# Altium PCB Freezer_Controller.PcbDoc (part 3 of 3) (continued)
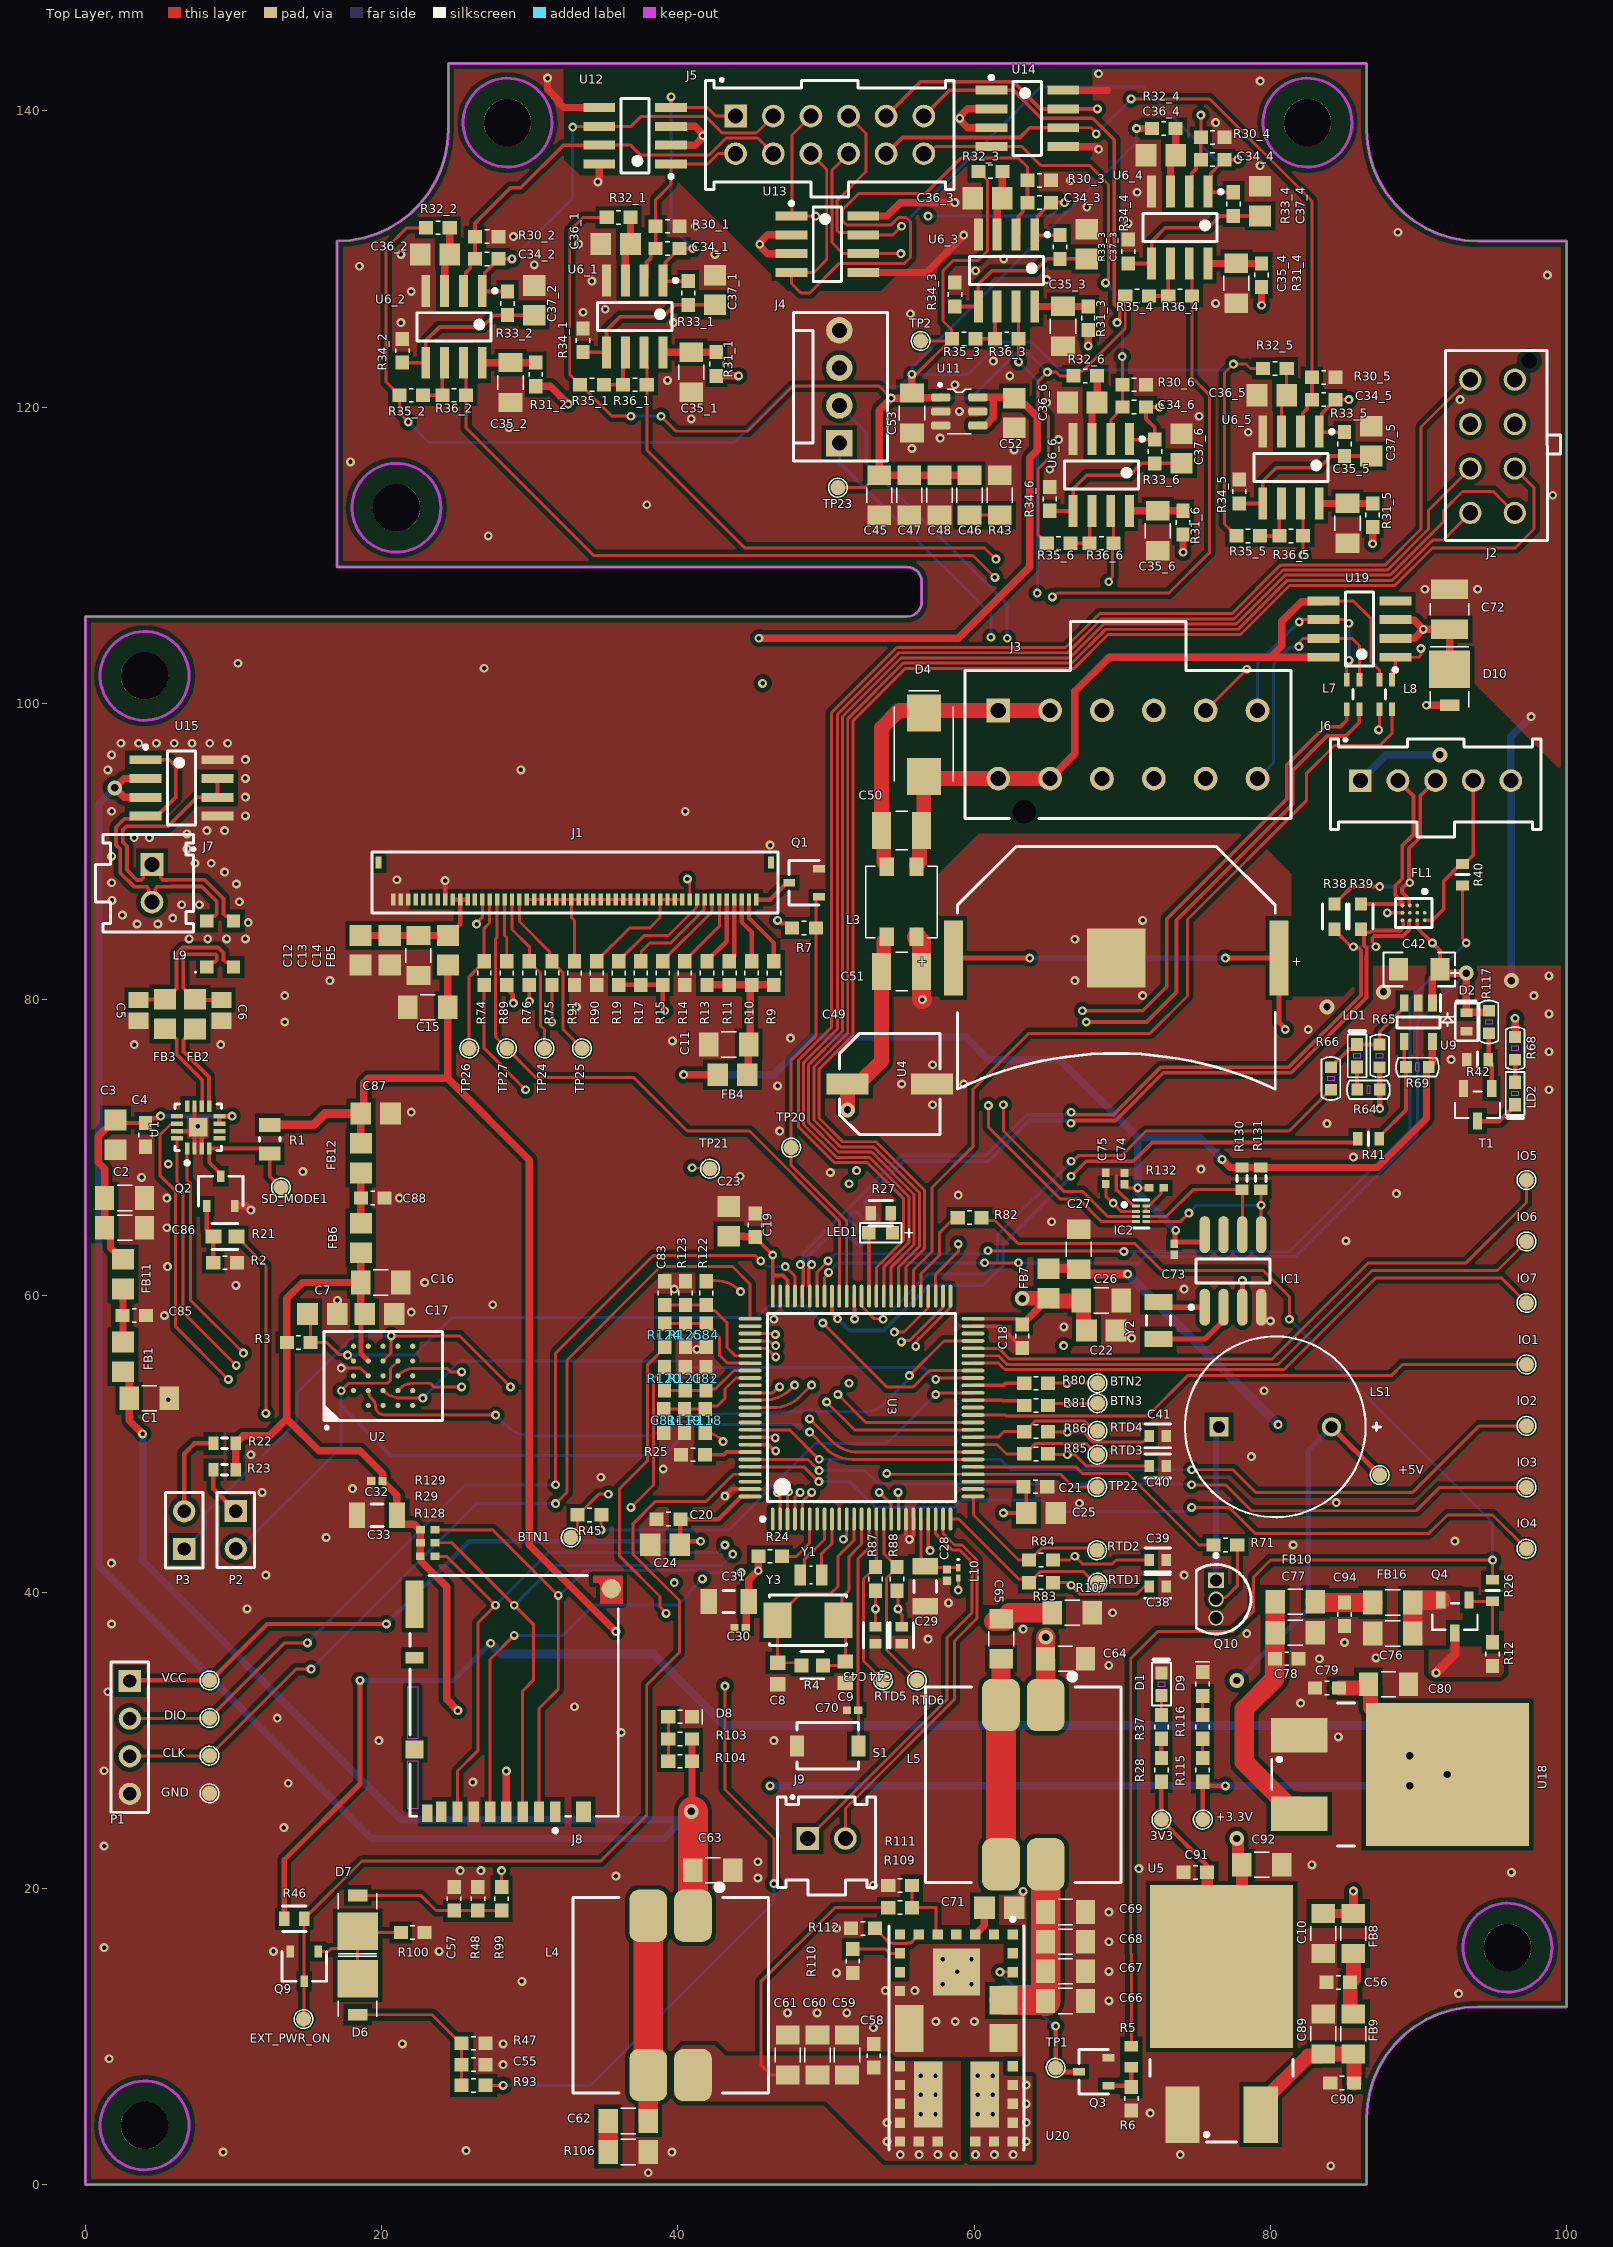
[diagram p0: Top Layer view]
## Nets (pads, with @x,y where several pads share a name; then routed paths per layer and width w, separated by ;. In a path a pad name is that pad's centre, name@x,y a point inside that pad or via, vN(x,y) a via of type N, cw(c..) or ccw(c..) an arc to the next point about the centre after c; other vN are vias at no path point) (continued)
  Bottom Layer w0.2: v1(55.1,132.2) 64.5,141.6 71.4,141.6 76.3,136.7 v1(77.8,136.7)
RTD_P5: C34_5.1 J5.5 R33_5.1 U6_5.1 U14.7 | length 47.9
  Top Layer w0.25: J5.5@54.06,139.64 56.387,141.967 62.633,141.967 64.478,140.122 U14.7@66.012,140.122 v1(68.322,140.122) ; R33_5.1@85,118.3 83.33,118.3 U6_5.1@83.292,118.338 83.467,118.513 83.467,119.567 84.05,120.15 84.05,120.175 84.375,120.5 C34_5.1@84.4,120.5 v1(85.3,120.5)
  Layer 1 w0.25: v1(68.322,140.122) 85.3,123.145 v1(85.3,120.5)
RTD_P6: C34_6.1 J5.6 R33_6.1 U6_6.1 U14.1 | length 39.7
  Top Layer w0.25: J5.6@56.6,139.64 58.352,141.392 U14.1@61.162,141.392 62.642,141.392 64.534,139.5 68,139.5 69.45,138.05 69.45,126.936 69.825,126.561 69.825,125.97 69.65,125.795 v1(69.65,125.7) ; U6_6.1@70.667,118.013 U6_6.1@70.492,117.838 70.53,117.8 R33_6.1@72.2,117.8 72.2,118.6 71.6,119.2 C34_6.1@71.6,120 v1(72.5,120)
  Layer 2 w0.25: v1(69.65,125.7) 72.5,122.85 v1(72.5,120)
RTD_SIG1: C38.1 R36_1.2 R83.1 U6_1.7 | length 129
  Top Layer w0.2: U6_1.7@37.722,123.688 37.722,122.913 37.9,122.735 R36_1.2@37.9,121.5 37.9,117.1 44.51,110.49 60.706,110.49 v1(61.468,109.728) ; R83.1@65.316,40.64 66.26,40.64 66.44,40.46 v1(66.548,40.46) 67.126,39.882 70.998,39.882 71.502,40.386 C38.1@71.815,40.386
  Layer 2 w0.2: v1(61.468,109.728) 60.706,108.966 60.706,107.416 57.097,103.807 53.615,103.807 43.016,93.208 43.016,70.51 63.805,49.721 63.805,43.203 v1(66.548,40.46)
RTD_SIG2: C39.1 R36_2.2 R84.1 U6_2.7 | length 136.5
  Top Layer w0.2: U6_2.7@25.522,122.988 25.522,122.213 25.7,122.035 R36_2.2@25.7,120.8 25.7,118.6 34.318,109.982 59.918,109.982 v1(61.4,108.5) ; R84.1@65.316,42.164 66.44,42.164 66.694,42.418 v1(66.802,42.418) 67.31,41.91 69.342,41.91 69.596,42.164 C39.1@71.815,42.164
  Layer 2 w0.2: v1(61.4,108.5) 61.4,107.615 57.242,103.457 53.76,103.457 43.434,93.131 43.434,70.587 64.237,49.784 64.237,44.983 v1(66.802,42.418)
RTD_SIG3: C40.1 R36_3.2 R85.1 U6_3.7 | length 105.5
  Top Layer w0.2: U6_3.7@62.822,126.788 62.822,126.013 63,125.835 R36_3.2@63,124.6 v1(63,123.05) ; R85.1@64.983,49.329 65.036,49.276 66.802,49.276 67.564,48.514 C40.1@71.815,48.514
  Layer 2 w0.2: v1(64.262,107.442) 63.465,107.442 61.383,105.36 60.63,105.36 57.677,102.407 54.195,102.407 44.484,92.696 44.484,71.035 66.243,49.276 v1(66.294,49.276)
  Bottom Layer w0.2: v1(63,123.05) 64.262,121.788 v1(64.262,107.442)
RTD_SIG4: C41.1 R36_4.2 R86.1 U6_4.7 | length 117.1
  Top Layer w0.2: R86.1@64.983,50.836 65.018,50.8 v1(66.294,50.8) 67.339,50.8 68.012,50.127 71.396,50.127 71.502,50.233 71.602,50.233 71.815,50.446 C41.1@71.815,50.546 ; v1(65.278,107.188) 65.341,107.188 65.595,107.442 73.152,107.442 75.9,110.19 75.9,120.8 74.7,122 74.7,128.735 74.522,128.913 U6_4.7@74.522,129.688
  Layer 2 w0.2: v1(65.278,107.188) 64.77,106.68 63.198,106.68 61.528,105.01 60.902,105.01 57.949,102.057 54.34,102.057 44.834,92.551 44.834,71.18 65.214,50.8 v1(66.294,50.8)
RTD_SIG5: C43.1 R36_5.2 R87.1 U6_5.7 | length 131
  Top Layer w0.2: C43.1@53.34,37.659 v1(53.34,38.862) R87.1@53.34,40.094 ; U6_5.7@82.022,113.488 82.022,112.713 82.2,112.535 R36_5.2@82.2,111.3 v1(82.2,110)
  Layer 2 w0.2: v1(53.34,38.862) 54.127,39.649 55.245,39.649 56.176,38.718 66.773,38.718 68.713,40.658 68.713,42.26 64.719,46.253 64.719,49.809 43.784,70.745 43.784,92.986 53.905,103.107 57.387,103.107 60.706,106.426 61.214,106.426 63.754,108.966 81.166,108.966 v1(82.2,110)
RTD_SIG6: C44.1 R36_6.2 R88.1 U6_6.7 | length 116.9
  Top Layer w0.2: R88.1@54.79,40.094 54.864,40.02 v1(54.864,38.862) 54.864,38.754 55.118,38.5 C44.1@55.118,37.659 ; v1(69.088,108.204) 69.088,108.312 69.342,108.566 69.342,110.742 R36_6.2@69.4,110.8 69.4,112.035 69.222,112.213 U6_6.7@69.222,112.988
  Layer 2 w0.2: v1(54.864,38.862) 55.423,38.303 66.853,38.303 69.063,40.513 69.063,42.494 65.202,46.355 65.202,49.822 44.134,70.89 44.134,92.841 54.05,102.757 57.532,102.757 60.75,105.975 61.271,105.975 63.5,108.204 v1(69.088,108.204)
SCL1: IC1.6 IC2.6 R130.2 | length 10.3
  Top Layer w0.2: IC2.6@71.601,65.353 72.973,65.353 74.783,67.163 R130.2@78.08,67.163 78.105,67.138 IC1.6@78.105,64.131
SCL_EXT: J3.12 L7.1 U19.7 | length 17.4
  Top Layer w0.2: v1(81.922,103.821) 81.999,103.898 81.999,104.164 82.213,104.378 85.522,104.378 86,103.9 L7.1@86,101.6
  Bottom Layer w0.2: J3.12@79.127,94.915 80.2,95.988 80.2,102.655 81.322,103.778 81.879,103.778 v1(81.922,103.821)
SD_MISO: J8.7 R128.2 U3.17 | length 51.7
  Top Layer w0.2: R128.2@23.606,42.418 24.384,42.418 v2(27.686,39.116) 26.491,37.921 26.491,29.285 25.123,27.917 J8.7@25.123,25.17 ; v1(53.594,46.736) 54.4,45.93 U3.17@54.4,44.931
  Layer 2 w0.2: v2(43.18,43.18) 45.678,45.678 52.536,45.678 v1(53.594,46.736)
  Bottom Layer w0.2: v2(27.686,39.116) 31.242,42.672 42.672,42.672 v2(43.18,43.18)
SD_MOSI: J8.3 R29.2 U3.18 U3.54 | length 68.4
  Top Layer w0.2: R29.2@23.614,43.332 24.74,43.332 30.268,37.804 30.268,34.078 29.523,33.333 J8.3@29.523,25.17 ; v1(54.61,57.556) 55.27,57.556 56.89,59.176 56.89,59.971 U3.54@56.9,59.981 ; v1(54.864,46.736) 54.89,46.71 54.89,44.941 U3.18@54.9,44.931
  Layer 2 w0.2: v1(43.705,42.562) 46.38,45.237 53.365,45.237 v1(54.864,46.736) 54.889,46.761 54.889,49.606 53.467,51.029 53.467,56.413 v1(54.61,57.556)
  Bottom Layer w0.2: v1(28.956,39.116) 31.634,41.794 42.937,41.794 v1(43.705,42.562)
SD_SCK: J8.5 U3.52 | length 59.2
  Top Layer w0.2: J8.5@27.323,25.17 27.323,35.451 v1(28.956,37.084) ; v1(55.093,56.896) 55.169,56.973 55.626,56.973 57.89,59.237 57.89,59.971 U3.52@57.9,59.981
  Layer 2 w0.2: v1(41.656,40.894) 43.078,40.894 46.965,44.78 53.848,44.78 55.474,46.406 55.474,49.86 53.95,51.384 53.95,55.753 v1(55.093,56.896)
  Bottom Layer w0.2: v1(28.956,37.084) 32.258,37.084 34.29,39.116 40.014,39.116 40.797,39.899 40.797,40.035 v1(41.656,40.894)
SD_SS: J8.2 R129.2 U3.51 | length 68.3
  Top Layer w0.2: R129.2@23.614,44.196 27.502,44.196 v1(31.923,39.775) 31.923,33.447 30.623,32.147 J8.2@30.623,25.17 ; v1(56.058,56.591) 56.058,56.883 58.39,59.215 58.39,59.971 U3.51@58.4,59.981
  Layer 2 w0.2: v1(44.28,41.318) 47.209,44.247 54.178,44.247 55.956,46.025 55.956,50.241 54.407,51.791 54.407,54.94 v1(56.058,56.591)
  Bottom Layer w0.2: v1(31.923,39.775) 32.014,39.775 33.683,41.444 41.884,41.444 42.01,41.318 v1(44.28,41.318)
SDA1: IC1.5 IC2.5 R131.1 | length 11.3
  Top Layer w0.2: IC2.5@71.601,65.003 73.918,65.003 v1(74.498,65.583) ; R131.1@79.35,67.163 79.375,67.138 v1(79.375,66.116) IC1.5@79.375,64.131
  Bottom Layer w0.2: v1(74.498,65.583) 75.032,66.116 v1(79.375,66.116)
SDA_EXT: J3.6 L7.4 U19.6 | length 14.6
  Top Layer w0.2: v1(81.948,105.5) 82.056,105.5 82.204,105.648 U19.6@83.588,105.648 85.052,105.648 v1(85.3,105.4) ; L7.4@85.15,101.6 85.15,102.642 85.3,102.792 v1(85.3,102.9)
  Layer 1 w0.2: v1(81.948,105.5) v1@81.948,105.552
  Bottom Layer w0.2: J3.6@79.127,99.515 79.115,99.515 79.115,102.667 v1(81.948,105.5) ; v1(85.3,102.9) v1(85.3,105.4)
SDI: J1.34 R76.2 TP24.1 | length 10.9
  Top Layer w0.2: J1.34@28.8,86.75 28.8,84.738 29.973,83.565 R76.2@29.973,82.588 29.973,82.563 30.734,81.802 30.734,78.232 30.988,77.978 TP24.1@30.988,76.708
SDO: J1.33 R75.2 TP25.1 | length 11.8
  Top Layer w0.2: J1.33@29.3,86.75 29.3,85.267 31.321,83.246 31.321,82.764 R75.2@31.497,82.588 31.497,82.563 32.258,81.802 32.258,77.978 TP25.1@33.528,76.708
SWCLK: CLK.1 P1.3 U3.76 | length 63.6
  Top Layer w0.2: P1.3@3,28.92 3.018,28.938 8.364,28.938 14.224,34.798 v1(15.24,34.798) ; v1(31.75,45.974) 32.512,46.736 32.512,55.658 38.83,61.976 43.688,61.976 44.875,60.789 U3.76@44.875,58.456
  Bottom Layer w0.2: v1(15.24,34.798) 26.416,45.974 v1(31.75,45.974)
SWDIO: DIO.1 P1.2 U3.72 | length 65
  Top Layer w0.2: P1.2@3,31.46 3.018,31.478 8.364,31.478 13.462,36.576 v1(14.986,36.576) ; v1(31.75,47.244) 31.75,56.134 38.354,62.738 45.212,62.738 v1(45.593,62.357) ; v1(47.244,61.976) 47.9,61.32 U3.72@47.9,59.981
  Bottom Layer w0.2: v1(14.986,36.576) 25.654,47.244 v1(31.75,47.244) ; v1(45.593,62.357) 45.974,61.976 v1(47.244,61.976)
TE: J1.39
TFT_CLK: R74.1 U3.78 | length 33.6
  Top Layer w0.2: R74.1@26.924,80.988 26.924,76.708 v1(29.718,73.914) ; U3.78@44.875,57.456 44.885,57.446 46.523,57.446 v1(46.578,57.391)
  Layer 1 w0.2: v1@29.718,73.787 30.261,73.244 45.785,57.72 ccw(c46.578,58.512) v1(46.578,57.391)
TFT_MISO: R75.1 U3.79 | length 35.1
  Top Layer w0.2: v1(31.488,78.478) 31.488,80.979 R75.1@31.497,80.988 ; U3.79@44.875,56.956 46.187,56.956 46.501,56.642 v1(46.609,56.642)
  Layer 1 w0.2: v1(31.488,78.478) 31.488,78.387 28.938,75.837 28.938,73.297 44.875,57.36 ccw(c46.609,59.095) v1(46.609,56.642)
TFT_MOSI: R76.1 U3.80 | length 36.3
  Top Layer w0.2: U3.80@44.875,56.456 44.885,56.446 46.027,56.446 46.593,55.88 v1(46.609,55.88)
  Top Layer w0.25: v1(29.972,79.886) R76.1@29.973,80.988
  Layer 1 w0.2: v1(29.972,79.886) 29.972,78.74 27.905,76.673 27.905,73.39 44.775,56.521 ccw(c46.313,58.059) v1@46.606,55.903
TFT_WRX: J1.36 TP27.1 U3.66 | length 42.8
  Top Layer w0.2: J1.36@27.8,86.75 27.8,84.188 27.686,84.074 27.686,77.47 TP27.1@28.448,76.708 30.429,74.727 37.033,74.727 40.64,71.12 44.831,71.12 50.9,65.051 U3.66@50.9,59.981
UART_RX: J9.2 U3.24 | length 26.5
  Top Layer w0.2: J9.2@51.308,23.368 51.308,25.4 58.667,32.759 58.667,36.703 60.198,38.234 60.198,42.164 59.182,43.18 58.674,43.18 57.91,43.944 57.91,44.921 U3.24@57.9,44.931
UART_TX: J9.1 U3.23 | length 27.5
  Top Layer w0.2: J9.1@48.768,23.368 58.166,32.766 58.166,36.926 59.848,38.608 59.848,42.019 59.037,42.83 58.529,42.83 58.433,42.926 58.42,42.926 57.4,43.946 U3.23@57.4,44.931
USB_D_N: FL1.D3 R39.1 U3.70 | length 61.2
  Top Layer w0.255: 48.841,61.826 48.841,60.685 48.9,60.626 U3.70@48.9,59.981 ; 66.814,71.841 69.555,71.841 72.77,75.056 81.406,75.056 86.488,80.138 86.488,82.951 86.496,82.959 86.496,83.486 86.321,83.661 86.321,84.533 86.315,84.539 86.739,84.539 86.869,84.669 88.795,84.669 88.971,84.845 88.971,85.293 FL1.D3@88.912,85.352
  Bottom Layer w0.255: v1(49.025,62.103) 49.025,62.196 48.841,62.38 48.841,62.715 49.959,63.833 50.589,64.463 cw(c50.859,64.193) 51.128,64.463 52.026,63.565 ccw(c52.295,63.835) 52.565,63.565 ccw(c52.295,63.835) 52.565,64.105 51.668,65.002 cw(c51.938,65.272) 51.668,65.542 cw(c51.938,65.272) 52.207,65.542 52.894,64.855 ccw(c53.164,65.125) 53.434,64.855 ccw(c53.164,65.125) 53.434,65.394 52.747,66.081 cw(c53.017,66.351) 52.747,66.621 54.658,68.532 55.214,69.088 60.96,69.088 63.713,71.841 66.253,71.841 66.441,71.654 v1(66.534,71.654)
USB_D_P: FL1.C3 R38.1 U3.71 | length 58.2
  Top Layer w0.255: U3.71@48.4,59.981 48.4,60.626 48.459,60.685 48.459,61.826 ; 66.808,72.223 69.397,72.223 72.612,75.438 81.248,75.438 86.106,80.296 86.106,83.109 86.114,83.117 86.114,83.328 85.942,83.5 85.664,83.5 v1(85.598,83.566) ; R38.1@84.328,84.748 84.328,84.698 v1@85.394,83.632 ; v1(87.122,83.566) 87.122,83.659 86.878,83.903 86.878,84.137 87.027,84.287 88.953,84.287 89.353,84.686 89.353,85.293 FL1.C3@89.412,85.352
  Bottom Layer w0.255: v1(48.275,62.103) 48.275,62.196 48.459,62.38 48.459,62.873 55.056,69.47 60.802,69.47 63.555,72.223 66.138,72.223 66.239,72.324 66.482,72.324 v1(66.548,72.39) ; v1(85.598,83.566) v1(87.122,83.566)
USB_ID: R40.1 U3.69 | length 63.9
  Top Layer w0.2: U3.69@49.4,59.981 49.4,61.617 v1(50.14,62.357) ; v1(60.935,63.043) 60.96,63.018 70.078,63.018 v1(70.104,62.992) ; R40.1@92.964,87.704 92.964,84.137 93.218,83.883 v1(93.218,83.82)
  Bottom Layer w0.2: v1(50.14,62.357) 50.624,62.841 60.624,62.841 60.827,63.043 v1(60.935,63.043) ; v1(70.104,62.992) 81.28,62.992 89.408,71.12 89.408,80.01 v1(93.218,83.82)
USB_VBUS: C42.1 D2.1 FL1.B3 J6.1 R117.1 U3.68 U9.1 | length 91.7
  Top Layer w0.2: U3.68@49.9,59.981 49.9,61.222 50.173,61.495 v1(50.173,61.587) ; v1(60.706,62.23) v1(62.992,62.23)
  Top Layer w0.25: FL1.B3@89.912,85.352 89.912,84.84 v1(90.932,83.82) 91.44,83.312 C42.1@91.44,82.042
  Top Layer w0.5: U9.1@90.932,79.756 90.932,81.407 91.44,81.915 C42.1@91.44,82.042 91.694,81.788 v3(93.218,81.788) 93.224,81.782 93.224,79.117 D2.1@93.231,79.111 93.26,79.14 94.634,79.14 R117.1@94.742,79.248
  Layer 1 w0.5: v3(91.44,96.52) 91.44,96.385 92.415,95.409 92.415,82.591 v3(93.218,81.788)
  Bottom Layer w0.2: v1(50.173,61.587) 50.816,62.23 v1(60.706,62.23) ; v1(62.992,62.23) 71.12,62.23 71.532,62.642 81.692,62.642 89.916,70.866 89.916,78.486 v3(93.218,81.788)
  Bottom Layer w0.5: J6.1@86.07,94.775 87.815,96.52 v3(91.44,96.52)
VBATT_VS: J3.10 R124.1 | length 111.2
  Top Layer w0.2: R124.1@39.116,56.533 39.116,56.508 37.96,55.352 37.96,48.882 36.068,46.99 36.068,42.418 38.791,39.695 38.791,39.004 39.201,38.594 v1(39.201,38.566)
  Layer 2 w0.2: v1(39.201,38.566) 42.217,35.55 67.173,35.55 72.022,40.399 72.022,77.367 72.127,77.473 J3.10@72.127,94.915
VBATT_VS_3.3: C84.2 R124.2 R125.2 U3.82 | length 7.6
  Top Layer w0.2: R124.2@39.116,58.133 R125.2@40.516,58.133 C84.2@41.916,58.133 41.916,58.108 42.799,57.225 42.799,56.007 43.35,55.456 U3.82@44.875,55.456
VCC: C18.2 C19.2 C20.2 C21.2 C22.2 C23.2 C24.2 C25.2 C26.2 C30.2 C31.2 FB7.1 L10.2 P1.1 R24.2 U3.11 U3.22 U3.28 U3.50 U3.73 U3.75 U3.100 VCC.1 | length 88.2
  Top Layer w0.2: v1(51.173,43.569) 51.173,43.644 51.4,43.871 U3.11@51.4,44.931 ; v1(58.928,40.132) L10.2@58.928,40.952
  Top Layer w0.25: C19.2@45.393,63.989 45.393,63.764 v1(46.4,62.757) 46.4,61.369 ; U3.75@46.4,59.981 46.4,61.369 ; U3.73@47.4,59.981 47.4,61.058 47.089,61.369 46.4,61.369 ; U3.22@56.9,44.931 56.9,42.922 v1(57.023,42.799) ; U3.28@59.925,47.456 62.971,47.456 63.31,47.117 C21.2@63.335,47.117 63.516,46.936 C25.2@63.516,45.339 v1(61.976,45.339) ; U3.50@59.925,58.456 62.892,58.456 63.246,58.102 C18.2@63.246,58.077
  Top Layer w0.3: P1.1@3,34 3.036,34.036 VCC.1@8.382,34.036 8.469,34.036 12.279,37.846 v2(20.32,37.846) ; C24.2@40.132,43.2 C24.2@40.17,43.238 ; v1(41.529,43.434) 40.366,43.434 C24.2@40.17,43.238 ; U3.100@44.875,46.456 44.275,46.456 42.744,44.925 C20.2@40.17,44.925 C24.2@40.17,43.238
  Top Layer w0.5: C23.2@43.434,64.024 43.442,64.016 44.442,64.016 44.469,63.989 C19.2@45.393,63.989 ; C30.2@44.576,37.592 44.596,37.592 44.606,37.602 44.606,39.192 C31.2@44.784,39.37 44.784,40.832 v1@45.428,41.476 ; v1(45.428,41.44) v1@45.428,41.476 ; R24.2@45.428,42.418 v1@45.428,41.476 ; C18.2@63.246,58.102 63.446,58.302 63.471,58.302 64.524,59.355 64.524,59.383 64.876,59.735 FB7.1@64.904,59.735
  Top Layer w1: v3(63.246,59.817) 63.262,59.833 65,59.833 65.183,59.65 66.906,59.65 C26.2@67.056,59.5 ; C26.2@67.23,59.69 67.38,59.54 67.38,57.858 C22.2@67.58,57.658
  Bottom Layer w0.3: v2(20.32,37.846) 25.908,43.434 v1(41.529,43.434)
  other v1: 66.04,56.642
VCI: C12.2 C13.2 C14.2 FB5.2 J1.40 J1.41 J1.42 | length 9.7
  Top Layer w0.3: FB5.2@24.483,84.327 24.533,84.327 25.3,85.094 J1.41@25.3,86.75 ; J1.42@24.8,86.75 J1.41@25.3,86.75 ; J1.40@25.8,86.75 J1.41@25.3,86.75
  Top Layer w0.5: C12.2@18.583,84.327 C13.2@20.556,84.327 C14.2@22.483,84.327 FB5.2@24.483,84.327
VMAIN_VS: J3.11 R122.1 | length 119.9
  Top Layer w0.2: R122.1@41.916,60.983 41.964,61.031 42.562,61.031 cw(c42.562,58.789) 44.147,60.374 v1(44.233,60.288)
  Layer 2 w0.2: v1(44.233,60.288) 44.233,48.678 38.651,43.096 38.651,38.338 41.789,35.2 67.331,35.2 72.568,40.437 72.568,76.518 74.295,78.245 74.295,93.583 J3.11@75.627,94.915
VMAIN_VS_3.3: C83.2 R122.2 R123.2 U3.81 | length 8.2
  Top Layer w0.2: C83.2@39.116,59.383 R122.2@41.916,59.383 41.916,59.358 42.266,59.008 42.486,59.008 43.307,58.187 43.307,56.515 43.866,55.956 U3.81@44.875,55.956
VMIN_1: R35_1.2 R36_1.1 U6_1.6 | length 3.6
  Top Layer w0.25: R35_1.2@35,121.5 R36_1.1@36.3,121.5 36.3,123.535 U6_1.6@36.452,123.688
VMIN_2: R35_2.2 R36_2.1 U6_2.6 | length 3.6
  Top Layer w0.25: R35_2.2@22.8,120.8 R36_2.1@24.1,120.8 24.1,122.835 U6_2.6@24.252,122.988
VMIN_3: R35_3.2 R36_3.1 U6_3.6 | length 3.6
  Top Layer w0.25: R35_3.2@60.1,124.6 R36_3.1@61.4,124.6 61.4,126.635 U6_3.6@61.552,126.788
VMIN_4: R35_4.2 R36_4.1 U6_4.6 | length 3.6
  Top Layer w0.25: R35_4.2@71.8,127.5 R36_4.1@73.1,127.5 73.1,129.535 U6_4.6@73.252,129.688
VMIN_5: R35_5.2 R36_5.1 U6_5.6 | length 3.6
  Top Layer w0.25: R35_5.2@79.3,111.3 R36_5.1@80.6,111.3 80.6,113.335 U6_5.6@80.752,113.488
VMIN_6: R35_6.2 R36_6.1 U6_6.6 | length 3.6
  Top Layer w0.25: R35_6.2@66.5,110.8 R36_6.1@67.8,110.8 67.8,112.835 U6_6.6@67.952,112.988
VREF: C45.2 C46.2 C47.2 C48.2 C53.2 R32_1.2 R32_2.2 R32_3.2 R32_4.2 R32_5.2 R32_6.2 R35_1.1 R35_2.1 R35_3.1 R35_4.1 R35_5.1 R35_6.1 TP2.1 TP23.1 U11.1 | length 224.7
  Top Layer w0.2: v1(21.8,119) 21.2,119.6 R35_2.1@21.2,120.8 21.175,120.8 20.825,121.15 20.825,121.175 20.3,121.7 20.3,130.7 21.7,132.1 R32_2.2@23,132.1 ; R32_1.2@35.2,132.8 33.6,132.8 32.7,131.9 32.7,122.2 33.025,121.875 33.025,121.85 33.375,121.5 R35_1.1@33.4,121.5 33.425,121.5 35.545,119.38 v1(36.83,119.38) ; v1(38.862,119.38) 39.878,118.364 44.704,118.364 47.752,121.412 53.588,121.412 v1(54.4,120.6) ; TP23.1@50.8,114.554 52.602,114.554 53.444,115.396 C45.2@53.594,115.396 ; v1(55.8,122.2) 55.877,122.277 56.152,122.277 R35_3.1@58.335,124.46 ; TP2.1@56.388,124.46 R35_3.1@58.335,124.46 ; R32_3.2@60.3,135.9 60.325,135.9 60.675,135.55 60.675,135.525 60.9,135.3 60.9,130.527 60.273,129.9 58.6,129.9 57.9,129.2 57.9,125.8 58.467,125.233 58.467,124.633 R35_3.1@58.5,124.6 58.475,124.6 R35_3.1@58.335,124.46 ; R35_6.1@64.9,110.8 64.875,110.8 64.525,111.15 64.525,111.175 64.3,111.4 64.3,115.778 65.024,116.502 65.024,119.398 64.3,120.122 64.3,121.711 v1(64.944,122.356) 65.544,122.356 65.8,122.1 R32_6.2@66.7,122.1 67.025,122.425 67.325,122.425 70.2,125.3 R35_4.1@70.2,127.5 ; R35_5.1@77.7,111.3 77.675,111.3 77.325,111.65 77.325,111.675 76.9,112.1 76.9,122.3 v1(77.5,122.9) 78.359,122.9 78.659,122.6 R32_5.2@79.5,122.6
  Top Layer w0.5: v1(55.8,122.2) C53.2@55.8,120.6 ; U11.1@57.75,120.65 57.725,120.625 55.825,120.625 C53.2@55.8,120.6 ; C46.2@59.69,115.396 C48.2@57.658,115.396 C47.2@55.626,115.396 C45.2@53.594,115.396 53.594,119.794 v1(54.4,120.6) C53.2@55.8,120.6 ; v1(70.971,138.8) R32_4.2@72,138.8
  Bottom Layer w0.2: v1(21.8,119) 23.198,117.602 43.802,117.602 47.6,121.4 55,121.4 v1(55.8,122.2) ; v1(36.83,119.38) v1(38.862,119.38) ; v1(54.4,120.6) 59.772,120.6 62.772,123.6 63.7,123.6 v1(64.944,122.356) ; v1(70.971,138.8) 70.971,137.893 55.8,122.722 v1(55.8,122.2) ; v1(77.5,122.9) 77.483,122.9 77.083,122.5 65.8,122.5 63.9,124.4 61.8,124.4 59.6,122.2 v1(55.8,122.2)
X+: J1.44
X-: J1.46
Y+: J1.45
Y-: J1.47
pads on no net: FL1.A2 FL1.B1 FL1.B2 FL1.C2 IC1.7 J1.0 J2.0 J3.0 J8.1 J8.8 J8.9 J8.10 J8.11 J8.12 J8.13 J8.14 U1.5 U1.6 U1.12 U1.13 U2.A2 U2.A3 U2.A5 U2.B1 U2.B5 U2.C1 U2.C3 U2.C5 U2.D1 U2.D5 U2.E1 U2.E2 U2.E3 U2.E4 U2.E5 U3.1 U3.7 U3.38 U3.48 U3.77 U3.85 U3.89 U3.90 U3.98 U19.4 U20.1 U20.2 U20.4 U20.7 U20.25 U20.29

## Polygon pours and split planes (outlines as drawn)
GND on Top Layer "GND_L01_P014" (solid, remove dead copper, pour order 14): 55.46,105.85 0,105.85 0,0 86.5,0 86.5,4.5 86.555,5.404 86.718,6.295 86.988,7.159 87.359,7.985 87.828,8.76 88.386,9.473 89.027,10.114 89.74,10.672 90.515,11.141 91.341,11.512 92.205,11.782 93.096,11.945 94,12 100,12 100,131.2 94,131.2 93.096,131.255 92.205,131.418 91.341,131.688 90.515,132.059 89.74,132.528 89.027,133.086 88.386,133.727 87.828,134.44 87.359,135.215 86.988,136.041 86.718,136.905 86.555,137.796 86.5,138.7 86.5,143.2 24.5,143.2 24.5,138.7 24.445,137.796 24.282,136.905 24.012,136.041 23.641,135.215 23.172,134.44 22.614,133.727 21.973,133.086 21.26,132.528 20.485,132.059 19.659,131.688 18.795,131.418 17.904,131.255 17,131.2 17,109.2 55.46,109.2 55.682,109.175 55.894,109.101 56.083,108.982 56.242,108.823 56.361,108.634 56.435,108.422 56.46,108.2 56.46,106.85 56.435,106.627 56.361,106.416 56.242,106.227 56.083,106.068 55.894,105.949 55.682,105.875
+10-25V on Top Layer "+10-25V_L01_P001" (solid, remove dead copper, pour order 1): 90.678,36.322 90.678,36.252 90.678,34.544 90.932,34.29 95.504,34.29 95.758,34.544 95.758,36.322
NetC76_2 on Top Layer "NETC76_2_L01_P000" (solid, pour order 0): 92.964,36.4 92.964,40.132 88.982,40.132 88.95,40.1 88.95,36.4
NetU20_19 on Top Layer "NETU20_19_L01_P013" (solid, remove dead copper, pour order 13): 62.22,7.315 61.914,7.621 61.914,8.295 59.74,8.295 59.74,1.615 63.92,1.615 63.92,7.315
NetC58_2 on Top Layer "NETC58_2_L01_P003" (solid, remove dead copper, pour order 3): 59.1,8.345 54.555,8.345 54.2,8.7 43.2,8.7 42.5,9.4 40.357,9.4 39.75,8.793 39.75,6.007 40.122,5.635 49.965,5.635 53.985,1.615 59.1,1.615
GND on Bottom Layer "GND_L04_P008" (solid, remove dead copper, pour order 8): 55.46,105.85 0,105.85 0,0 86.5,0 86.5,4.5 86.555,5.404 86.718,6.295 86.988,7.159 87.359,7.985 87.828,8.76 88.386,9.473 89.027,10.114 89.74,10.672 90.515,11.141 91.341,11.512 92.205,11.782 93.096,11.945 94,12 100,12 100,131.2 94,131.2 93.096,131.255 92.205,131.418 91.341,131.688 90.515,132.059 89.74,132.528 89.027,133.086 88.386,133.727 87.828,134.44 87.359,135.215 86.988,136.041 86.718,136.905 86.555,137.796 86.5,138.7 86.5,143.2 24.5,143.2 24.5,138.7 24.445,137.796 24.282,136.905 24.012,136.041 23.641,135.215 23.172,134.44 22.614,133.727 21.973,133.086 21.26,132.528 20.485,132.059 19.659,131.688 18.795,131.418 17.904,131.255 17,131.2 17,109.2 55.46,109.2 55.682,109.175 55.894,109.101 56.083,108.982 56.242,108.823 56.361,108.634 56.435,108.422 56.46,108.2 56.46,106.85 56.435,106.627 56.361,106.416 56.242,106.227 56.083,106.068 55.894,105.949 55.682,105.875
NetC58_2 on Bottom Layer "NETC58_2_L04_P007" (solid, remove dead copper, pour order 7): 59.1,8.345 54.555,8.345 54.2,8.7 43.2,8.7 42.5,9.4 40.357,9.4 39.75,8.793 39.75,6.007 40.122,5.635 49.965,5.635 53.985,1.615 59.1,1.615
NetU20_19 on Bottom Layer "NETU20_19_L04_P002" (solid, remove dead copper, pour order 2): 63.944,1.615 59.79,1.615 59.79,8.295 63.944,8.295
GND on Layer 1 "GND_L02_P011" (solid, remove dead copper, pour order 11): 55.46,105.85 0,105.85 0,0 86.5,0 86.5,4.5 86.555,5.404 86.718,6.295 86.988,7.159 87.359,7.985 87.828,8.76 88.386,9.473 89.027,10.114 89.74,10.672 90.515,11.141 91.341,11.512 92.205,11.782 93.096,11.945 94,12 100,12 100,131.2 94,131.2 93.096,131.255 92.205,131.418 91.341,131.688 90.515,132.059 89.74,132.528 89.027,133.086 88.386,133.727 87.828,134.44 87.359,135.215 86.988,136.041 86.718,136.905 86.555,137.796 86.5,138.7 86.5,143.2 24.5,143.2 24.5,138.7 24.445,137.796 24.282,136.905 24.012,136.041 23.641,135.215 23.172,134.44 22.614,133.727 21.973,133.086 21.26,132.528 20.485,132.059 19.659,131.688 18.795,131.418 17.904,131.255 17,131.2 17,109.2 55.46,109.2 55.682,109.175 55.894,109.101 56.083,108.982 56.242,108.823 56.361,108.634 56.435,108.422 56.46,108.2 56.46,106.85 56.435,106.627 56.361,106.416 56.242,106.227 56.083,106.068 55.894,105.949 55.682,105.875
VCC on Layer 1 "VCC_L02_P010" (solid, remove dead copper, pour order 10): 32.258,61.486 37.766,67.056 46.99,67.056 58.229,66.992 59.563,66.992 69.469,57.087 69.469,47.244 57.912,35.687 40.894,35.687 32.258,44.323
GND on Layer 2 "GND_L03_P009" (solid, remove dead copper, pour order 9): 55.46,105.85 0,105.85 0,0 86.5,0 86.5,4.5 86.555,5.404 86.718,6.295 86.988,7.159 87.359,7.985 87.828,8.76 88.386,9.473 89.027,10.114 89.74,10.672 90.515,11.141 91.341,11.512 92.205,11.782 93.096,11.945 94,12 100,12 100,131.2 94,131.2 93.096,131.255 92.205,131.418 91.341,131.688 90.515,132.059 89.74,132.528 89.027,133.086 88.386,133.727 87.828,134.44 87.359,135.215 86.988,136.041 86.718,136.905 86.555,137.796 86.5,138.7 86.5,143.2 24.5,143.2 24.5,138.7 24.445,137.796 24.282,136.905 24.012,136.041 23.641,135.215 23.172,134.44 22.614,133.727 21.973,133.086 21.26,132.528 20.485,132.059 19.659,131.688 18.795,131.418 17.904,131.255 17,131.2 17,109.2 55.46,109.2 55.682,109.175 55.894,109.101 56.083,108.982 56.242,108.823 56.361,108.634 56.435,108.422 56.46,108.2 56.46,106.85 56.435,106.627 56.361,106.416 56.242,106.227 56.083,106.068 55.894,105.949 55.682,105.875
VCC on Layer 2 "VCC_L03_P006" (solid, remove dead copper, pour order 6): 32.258,61.486 37.766,67.056 46.99,67.056 58.229,66.992 59.563,66.992 69.469,57.087 69.469,47.244 57.912,35.687 40.894,35.687 32.258,44.323

## Keep-outs
Keep-Out Layer:
  circle w0.2: c4,4 r3
  circle w0.2: c96,16 r3
  circle w0.2: c4,101.85 r3
  circle w0.2: c21,113.2 r3
  circle w0.2: c82.5,139.2 r3
  circle w0.2: c28.5,139.2 r3
  lines w0.2: 0,0 86.5,0 86.5,4.5 86.555,5.404 86.718,6.295 86.988,7.159 87.359,7.985 87.828,8.76 88.386,9.473 89.027,10.114 89.74,10.672 90.515,11.141 91.341,11.512 92.205,11.782 93.096,11.945 94,12 100,12 100,131.2 94,131.2 93.096,131.255 92.205,131.418 91.341,131.688 90.515,132.059 89.74,132.528 89.027,133.086 88.386,133.727 87.828,134.44 87.359,135.215 86.988,136.041 86.718,136.905 86.555,137.796 86.5,138.7 86.5,143.2 24.5,143.2 24.5,138.7 24.445,137.796 24.282,136.905 24.012,136.041 23.641,135.215 23.172,134.44 22.614,133.727 21.973,133.086 21.26,132.528 20.485,132.059 19.659,131.688 18.795,131.418 17.904,131.255 17,131.2 17,109.2 55.46,109.2 55.682,109.175 55.894,109.101 56.083,108.982 56.242,108.823 56.361,108.634 56.435,108.422 56.46,108.2 56.46,106.85 56.435,106.627 56.361,106.416 56.242,106.227 56.083,106.068 55.894,105.949 55.682,105.875 55.46,105.85 0,105.85 0,0

## Other copper
Top Layer:
  pour cut-out: 32.26,143.2 67.992,143.2 67.992,136.992 67.2,136.2 59.4,136.2 55.5,132.3 55.5,129.6 53.7,127.8 47.4,127.8 39.6,135.6 33.4,135.6 32.3,136.7
  pour cut-out: 57.6,80.2 57.6,88.5 60.3,91.2 78.7,91.2 81.4,88.5 81.4,80.2 84.9,80.2 86.975,82.275 100,82.275 100,95.1 93.2,101.9 55.288,101.9 52.5,99.112 52.5,80.2
Layer 1:
  pour cut-out: 57.6,80.2 57.6,88.5 60.3,91.2 78.7,91.2 81.4,88.5 81.4,80.2 84.9,80.2 86.975,82.275 100,82.275 100,95.1 93.2,101.9 55.288,101.9 52.5,99.112 52.5,80.2
  pour cut-out: 32.26,143.2 67.992,143.2 67.992,136.992 67.2,136.2 59.4,136.2 55.5,132.3 55.5,129.6 53.7,127.8 47.4,127.8 39.6,135.6 33.4,135.6 32.3,136.7
Layer 2:
  pour cut-out: 32.26,143.2 67.992,143.2 67.992,136.992 67.2,136.2 59.4,136.2 55.5,132.3 55.5,129.6 53.7,127.8 47.4,127.8 39.6,135.6 33.4,135.6 32.3,136.7
  pour cut-out: 57.6,80.2 57.6,88.5 60.3,91.2 78.7,91.2 81.4,88.5 81.4,80.2 84.9,80.2 86.975,82.275 100,82.275 100,95.1 93.2,101.9 55.288,101.9 52.5,99.112 52.5,80.2
Bottom Layer:
  pour cut-out: 32.26,143.2 67.992,143.2 67.992,136.992 67.2,136.2 59.4,136.2 55.5,132.3 55.5,129.6 53.7,127.8 47.4,127.8 39.6,135.6 33.4,135.6 32.3,136.7
  pour cut-out: 57.6,80.2 57.6,88.5 60.3,91.2 78.7,91.2 81.4,88.5 81.4,80.2 84.9,80.2 86.975,82.275 100,82.275 100,95.1 93.2,101.9 55.288,101.9 52.5,99.112 52.5,80.2

## Silkscreen, mask and mechanical layers (free items; w line width, h text height)
Board Shape:
  the board outline again, w0.2
Route Tool Path:
  lines w2: -1,0 ccw(c0,0) 0,-1 ; -1,0 ccw(c0,0) 0,-1 ; -1,0 -1,105.85 ; -1,105.85 cw(c0,105.85) 0,106.85 ; -1,105.85 cw(c0,105.85) 0,106.85 ; 0,-1 86.5,-1 ; 0,106.85 55.404,106.85 55.454,106.856 55.46,106.906 55.46,108.144 55.454,108.194 55.404,108.2 17,108.2 ; 16,109.2 ccw(c17,109.2) 17,108.2 ; 16,109.2 ccw(c17,109.2) 17,108.2 ; 16,109.2 16,131.2 ; 16,131.2 cw(c17,131.2) 16.939,132.198 ; 16,131.2 cw(c17,131.2) 16.939,132.198 ; 16.939,132.198 17.783,132.249 18.555,132.391 19.304,132.624 20.02,132.946 20.691,133.352 21.309,133.836 21.864,134.391 22.348,135.009 22.754,135.68 23.076,136.396 23.309,137.145 23.451,137.917 23.5,138.73 23.5,143.2 ; 23.5,143.2 cw(c24.5,143.2) 24.5,144.2 ; 23.5,143.2 cw(c24.5,143.2) 24.5,144.2 ; 24.5,144.2 86.5,144.2 ; 86.5,-1 ccw(c86.5,0) 87.5,0 ; 86.5,-1 ccw(c86.5,0) 87.5,0 ; 86.5,144.2 cw(c86.5,143.2) 87.5,143.2 ; 86.5,144.2 cw(c86.5,143.2) 87.5,143.2 ; 87.5,0 87.5,4.47 87.549,5.283 87.691,6.055 87.924,6.804 88.246,7.52 88.652,8.191 89.136,8.809 89.691,9.364 90.309,9.848 90.98,10.254 91.696,10.576 92.445,10.809 93.217,10.951 94.03,11 100,11 ; 87.5,143.2 87.5,138.73 87.549,137.917 87.691,137.145 87.924,136.396 88.246,135.68 88.652,135.009 89.136,134.391 89.691,133.836 90.309,133.352 90.98,132.946 91.696,132.624 92.445,132.391 93.217,132.249 94.03,132.2 100,132.2 ; 100,11 ccw(c100,12) 101,12 ; 100,11 ccw(c100,12) 101,12 ; 100,132.2 cw(c100,131.2) 101,131.2 ; 100,132.2 cw(c100,131.2) 101,131.2 ; 101,12 101,131.2
Board:
  text "Material: FR4 / Thickness: 1.6 mm / Plating: ENIG / Copper: 1 oz / Board Routing Layer: Mechanical 2" at 91.694,135.636 h1

## Text inside footprints (layer, text, board x,y; h text height)
C42: Mechanical 49 "2" at 88.646,81.879 h0.41; Mechanical 49 "1" at 91.44,81.879 h0.41
D1: Mechanical 49 "2" at 72.807,34.544 h0.41 r90; Mechanical 49 "1" at 72.807,33.02 h0.41 r90
D2: Mechanical 49 "1" at 92.941,79.123 h0.41 r270; Mechanical 49 "2" at 92.941,77.849 h0.41 r270
LD1: Mechanical 49 "1" at 86.015,75.438 h0.41 r90; Mechanical 49 "2" at 86.015,76.962 h0.41 r90
LD2: Mechanical 49 "1" at 96.357,74.422 h0.41 r270; Mechanical 49 "2" at 96.357,72.898 h0.41 r270
Q4: Mechanical 49 "2" at 91.343,39.454 h0.41 r180; Mechanical 49 "1" at 93.243,39.454 h0.41 r180
R64: Mechanical 49 "2" at 87.376,74.077 h0.41; Mechanical 49 "1" at 85.852,74.077 h0.41
R65: Mechanical 49 "2" at 87.213,76.962 h0.41 r90; Mechanical 49 "1" at 87.213,75.438 h0.41 r90
R66: Mechanical 49 "1" at 83.911,73.914 h0.41 r90; Mechanical 49 "2" at 83.911,75.438 h0.41 r90
R68: Mechanical 49 "2" at 96.357,77.47 h0.41 r90; Mechanical 49 "1" at 96.357,75.946 h0.41 r90
R69: Mechanical 49 "2" at 90.678,75.601 h0.41; Mechanical 49 "1" at 89.154,75.601 h0.41
R117: Mechanical 49 "1" at 94.905,79.248 h0.41 r270; Mechanical 49 "2" at 94.905,77.724 h0.41 r270
T1: Mechanical 49 "2" at 92.867,73.998 h0.41 r180; Mechanical 49 "1" at 94.767,73.998 h0.41 r180
U4: Top Overlay "+" at 56.824,83.009 h1 r180; Top Overlay "+" at 82.099,83.009 h1 r180